# Altium PCB PCB.PcbDoc (part 1 of 4) (continued)
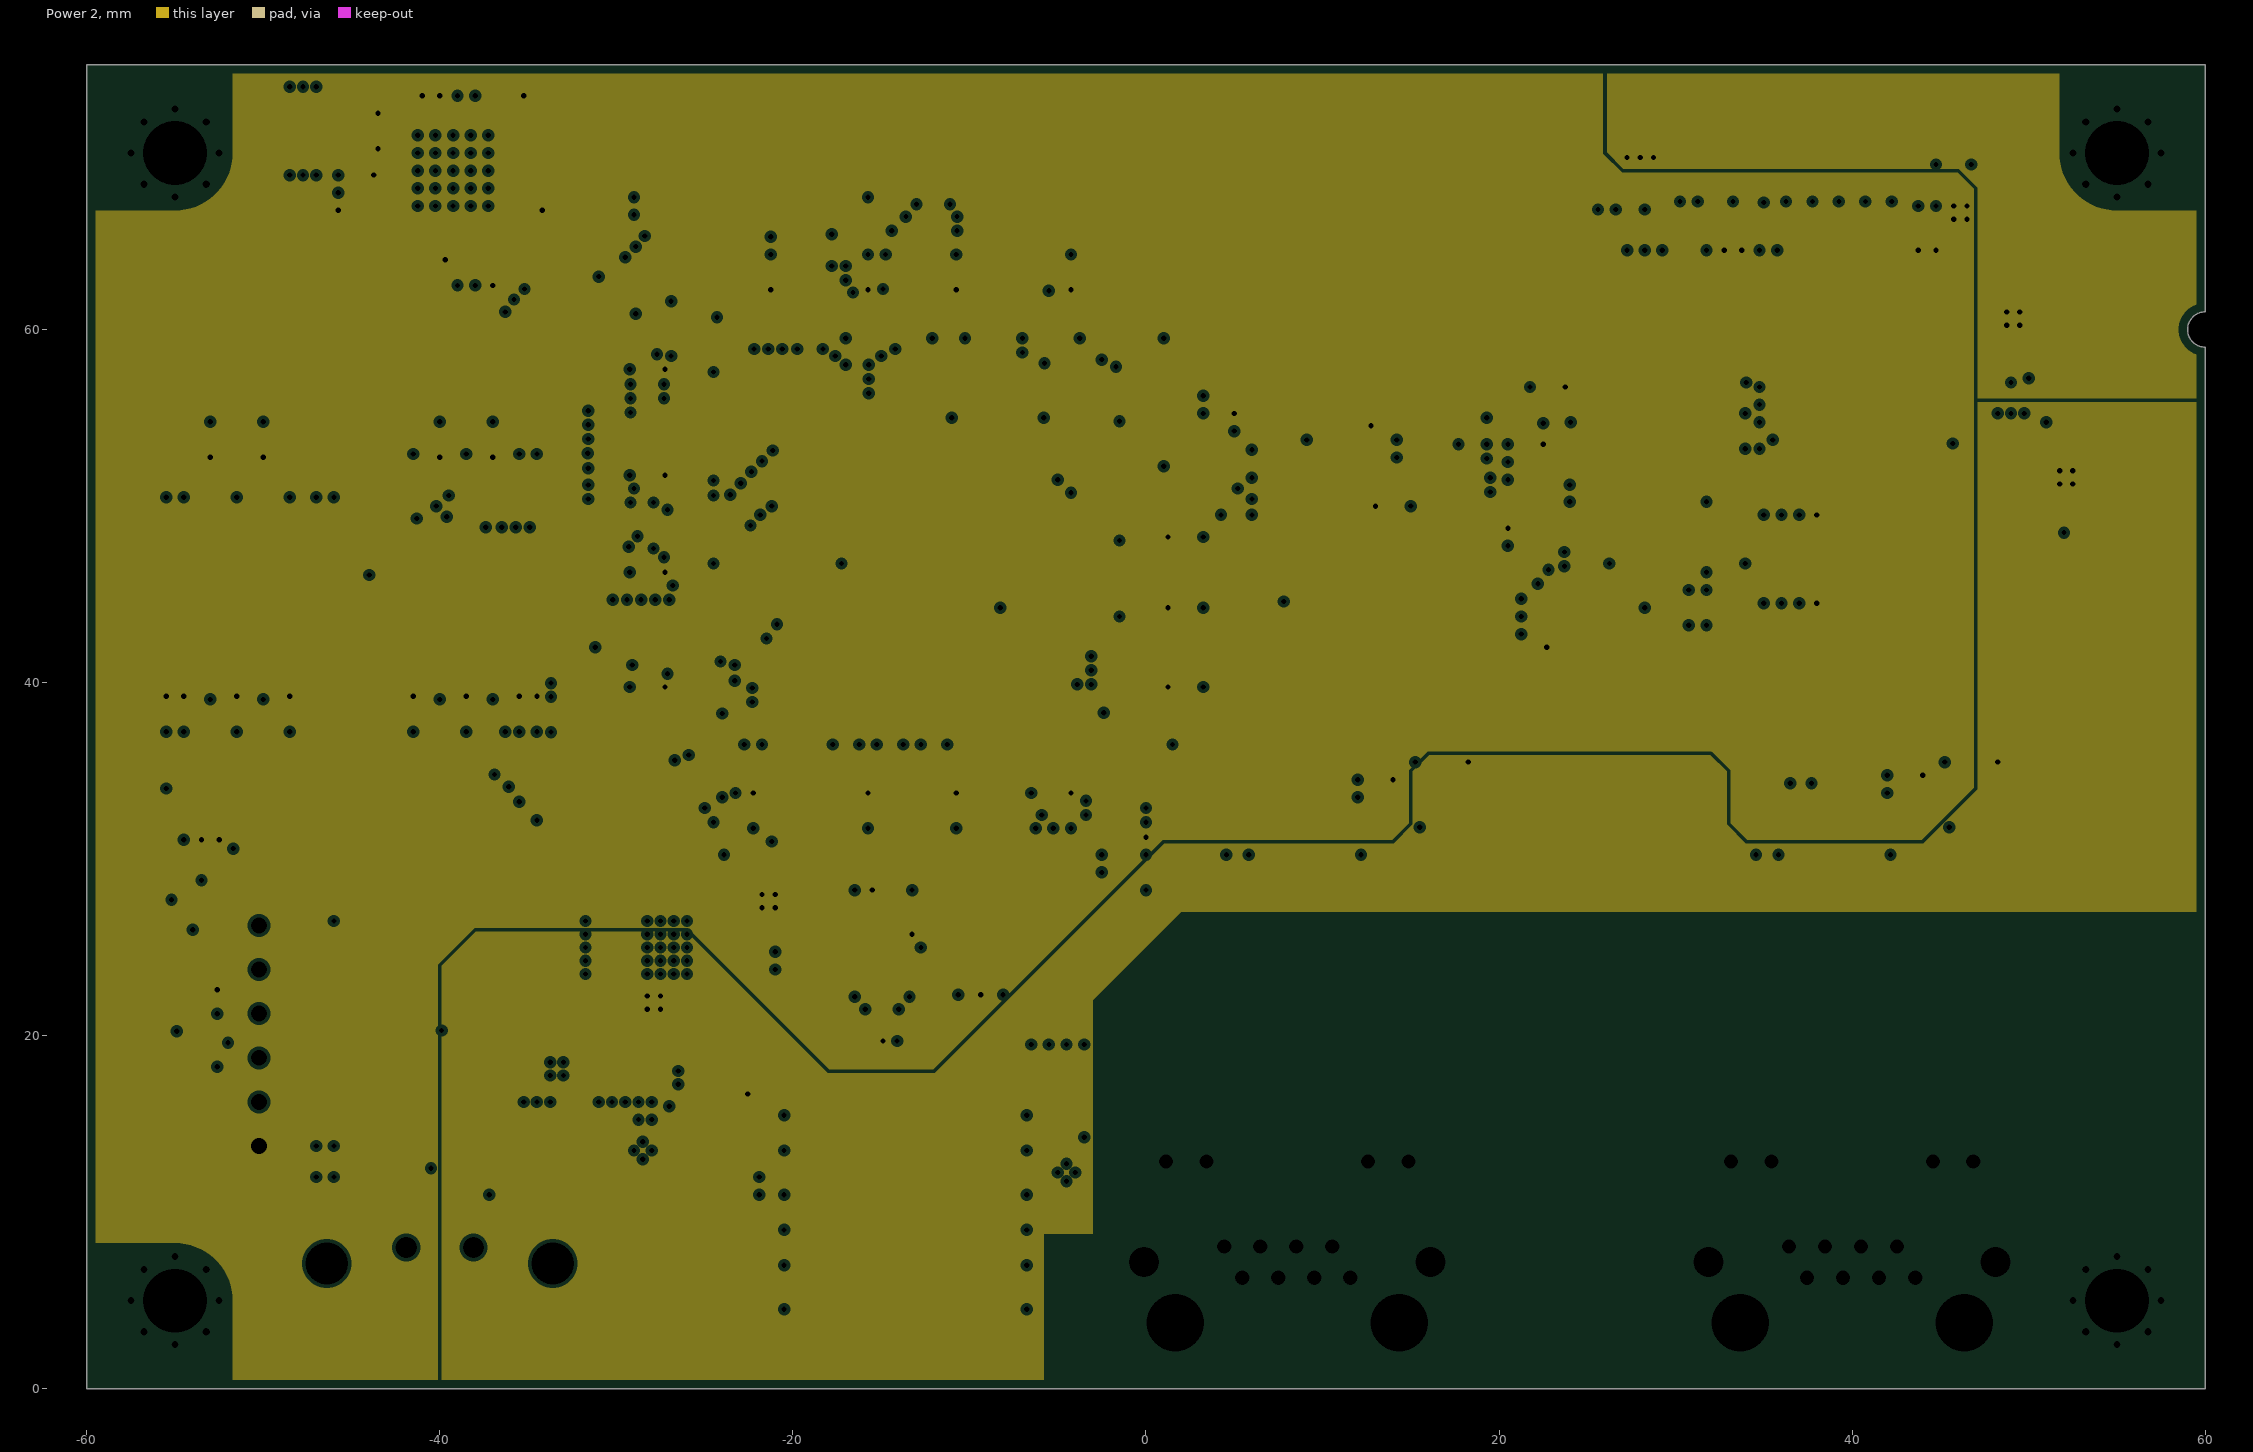
[diagram p3: Power 2, clearances drawn from the general rule]
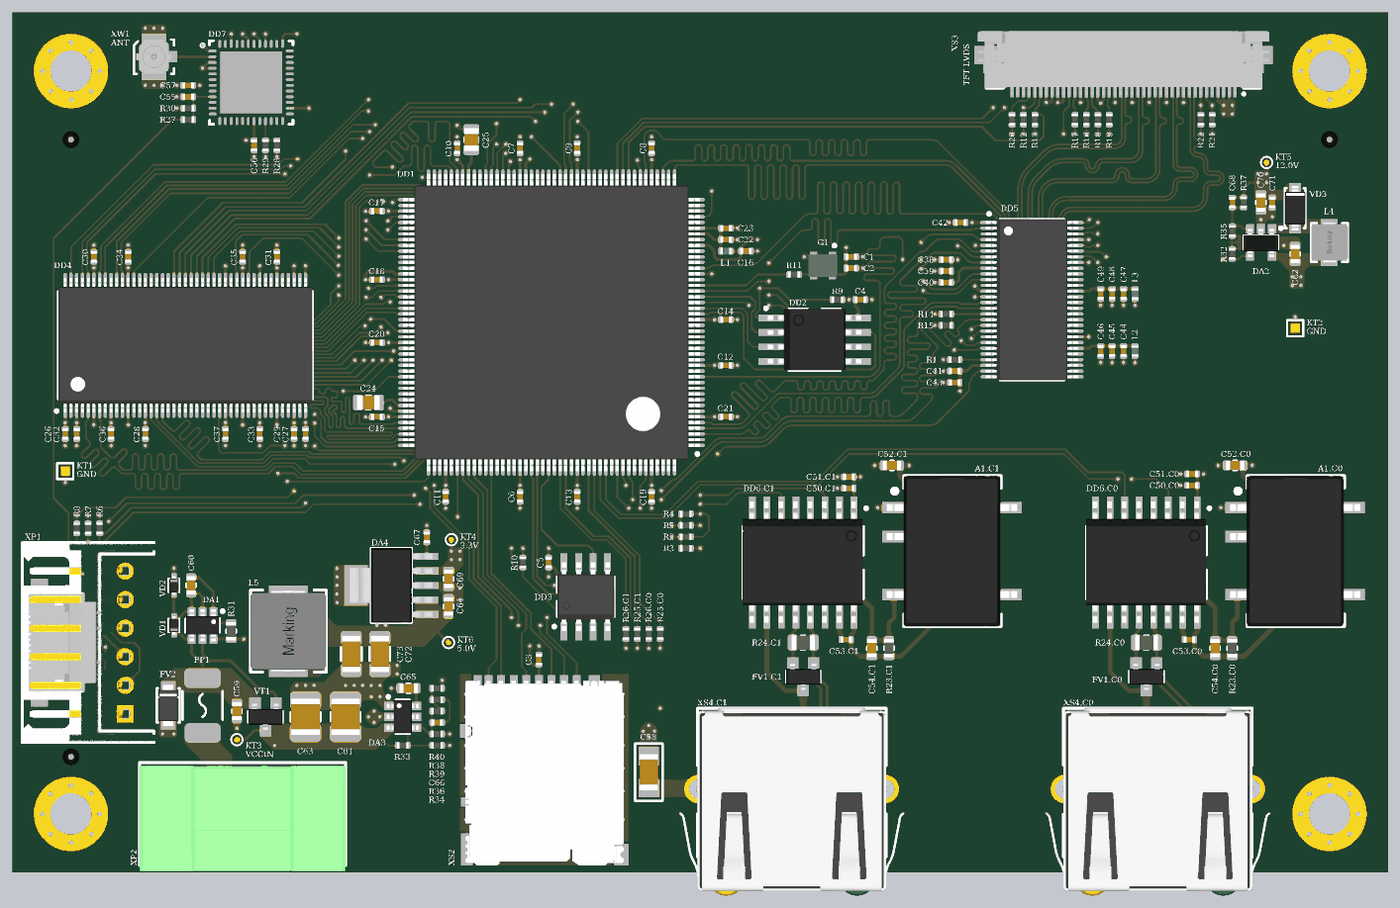
[diagram p7: 3D render of the assembled board from above, using the file's embedded part models]

## Layer stack, top to bottom
Top Solder: solder mask 0.0102, Solder Resist, Dk 3.5
Top: signal copper 0.0356
Dielectric 1: prepreg 0.127, KB-6160-PP-2116, Dk 4.25
GND 1: plane copper 0.0356, net GND
Core 1: core 1.19, KB-6160-1,19, Dk 4.6
Power 2: plane copper 0.0356, net (Multiple Nets)
Dielectric 2: prepreg 0.127, KB-6160-PP-2116, Dk 4.25
Bottom: signal copper 0.0356
Bottom Solder: solder mask 0.0102, Solder Resist, Dk 3.5

## Board outline
-60,0 -60,75 60,75 60,61 ccw(c60,60) 60,59 60,0

## Design rules (kind name [scope] priority, off if disabled: settings)
AcuteAngle [All] p1 off: minimum=1.50000000000000E+0001 checktracksonly=TRUE
BoardOutlineClearance [All] p1: gap=0.2 ignorepadtopadclearanceinfootprint=FALSE
Clearance Clearance_HV [InNetClass('HV')] p1: gap=0.4 ignorepadtopadclearanceinfootprint=FALSE
Clearance [All] p2: gap=0.152 ignorepadtopadclearanceinfootprint=FALSE
ComponentClearance ComponentClearance_SWD [InComponent('XP1')] p1: gap=-10 collisioncheckmode=3 verticalgap=-10 showdistances=FALSE
ComponentClearance [All] p2: gap=0.1 collisioncheckmode=3 verticalgap=0.1 showdistances=TRUE
DiffPairsRouting [All] p1: maxlimit=0.16 minlimit=0.15 mostfreqgap=0.16 toplayer_minwidth=0.15 toplayer_maxwidth=0.2 toplayer_prefwidth=0.16 bottomlayer_minwidth=0.15 bottomlayer_maxwidth=0.2 bottomlayer_prefwidth=0.16 impedanceprofiledriven=TRUE impedanceprofileid={81D1FA65-9C26-4472-977C-FA9D781A3615} impedanceprofilevalue=100.000000 maxuncoupledlength=20
Height [All] p1 off: minheight=0 maxheight=20 prefheight=10
HoleSize [All] p1: absolutevalues=TRUE maxlimit=4 minlimit=0.2 maxpercent=80.000 minpercent=20.000
HoleToHoleClearance [All] p1: gap=0.2 allowstackedmicrovias=TRUE
MatchedLengths MatchedLengths_LCD_RGB888 [InNetClass('LCD')] p1: tolerance=20 checknetsindiffpair=FALSE checkdiffpairvsdiffpair=TRUE checkxsignals=TRUE checkothers=TRUE
MatchedLengths MatchedLengths_SDRAM_CTRL [InNetClass('SDRAM_CTRL')] p2: tolerance=10 checknetsindiffpair=FALSE checkdiffpairvsdiffpair=TRUE checkxsignals=TRUE checkothers=TRUE
MatchedLengths MatchedLengths_SDRAM_ADDR [InNetClass('SDRAM_ADDR')] p3: tolerance=10 checknetsindiffpair=FALSE checkdiffpairvsdiffpair=TRUE checkxsignals=TRUE checkothers=TRUE
MatchedLengths MatchedLengths_SDRAM_DATA [InNetClass('SDRAM_DATA')] p4: tolerance=10 checknetsindiffpair=FALSE checkdiffpairvsdiffpair=TRUE checkxsignals=TRUE checkothers=TRUE
MatchedLengths MatchedLengths_LVDS [InDifferentialPairClass('All Differential Pairs')] p5: tolerance=0.25 checknetsindiffpair=TRUE checkdiffpairvsdiffpair=FALSE checkxsignals=FALSE checkothers=FALSE
MatchedLengths MatchedLengths_LCD_LVDS [InDifferentialPairClass('LCD_LVDS')] p6: tolerance=1 checknetsindiffpair=FALSE checkdiffpairvsdiffpair=TRUE checkxsignals=TRUE checkothers=TRUE
MinimumAnnularRing [All] p1: minimumring=0.1
MinimumSolderMaskSliver [All] p1: minsoldermaskwidth=0.1
PlaneClearance [All] p1: clearance=0.2
PlaneConnect [All] p1: pad.planeconnectstyle=Relief pad.reliefexpansion=0.25 pad.reliefentries=4 pad.reliefconductorwidth=0.25 pad.reliefairgap=0.2 via.planeconnectstyle=Direct via.reliefexpansion=0.508 via.reliefentries=4 via.reliefconductorwidth=0.254 via.reliefairgap=0.254
PolygonConnect PolygonConnect_DirectConnect [All vs InComponentClass('DirectConnect')] p1: connectstyle=Direct reliefconductorwidth=0.254 reliefentries=4 polygonreliefangle="90 Angle" airgapwidth=0.254
PolygonConnect [All] p2: thpad.connectstyle=Relief thpad.reliefconductorwidth=0.25 thpad.reliefentries=4 thpad.polygonreliefangle="90 Angle" thpad.airgapwidth=0.25 smdpad.connectstyle=Relief smdpad.reliefconductorwidth=0.2 smdpad.reliefentries=4 smdpad.polygonreliefangle="90 Angle" smdpad.airgapwidth=0.2 via.connectstyle=Direct via.reliefconductorwidth=0.254 via.reliefentries=4 via.polygonreliefangle="90 Angle" via.airgapwidth=0.254
RoutingCorners [All] p1: cornerstyle=45-Degree minsetback=0.2 maxsetback=3
RoutingVias [All] p1: holewidth=0.3 width=0.6 viastyle="Through Hole" minholewidth=0.3 minwidth=0.6 maxholewidth=0.3 maxwidth=0.6
SMDEntry [All] p1 off: side=TRUE corner=TRUE anyangle=TRUE
SMDToCorner [All] p1 off: distance=19685
SilkToSilkClearance [All] p1 off: silktosilkclearance=0.254
SilkToSolderMaskClearance [IsPad] p1 off: minsilkscreentomaskgap=0.2 clearancetoexposedcopper=TRUE
SolderMaskExpansion [All] p1: expansion=0.025
UnRoutedNet [All] p1: checkbadconnections=TRUE
Width Width_RF [InNetClass('RF')] p1: maxlimit=0.25 minlimit=0.2 preferedwidth=0.2 impedanceprofiledriven=TRUE impedanceprofileid={8003C638-430E-40B7-841D-D203D52F4D94} impedanceprofilevalue=50.000000 minimp=50.000000 maximp=50.000000 favimp=50.000000
Width [All] p2: maxlimit=2 minlimit=0.1 preferedwidth=0.25
18 further rules are at their usual default settings.

## Classes and differential pairs
component class DirectConnect: C58 C59 C61 C62 C63 C64 C65 C67 C69 C70 C71 C72 C73 DA1 DA2 DA3 DA4 FP1 FV2 L4 L5 VD1 VD2 VD3 VT1 XP2 XW1
net class HV: EARTH
net class SDRAM_DATA: DATA0 DATA1 DATA2 DATA3 DATA4 DATA5 DATA6 DATA7 DATA8 DATA9 DATA10 DATA11 DATA12 DATA13 DATA14 DATA15 DATA16 DATA17 DATA18 DATA19 DATA20 DATA21 DATA22 DATA23 DATA24 DATA25 DATA26 DATA27 DATA28 DATA29 DATA30 DATA31 DQM0 DQM1 DQM2 DQM3
net class SDRAM_CTRL: CAS_N CKE CLK CS_N RAS_N WE_N
net class SDRAM_CLK: CKE CLK
net class SDRAM_ADDR: ADDR0 ADDR1 ADDR2 ADDR3 ADDR4 ADDR5 ADDR6 ADDR7 ADDR8 ADDR9 ADDR10 ADDR11 ADDR12 BA0 BA1
channel class 06_ISO_CAN: CAN0 CAN1
net class RF: NetDD7_2
differential pair class LCD_LVDS: LCD_CLK LCD_DATA0 LCD_DATA1 LCD_DATA2 LCD_DATA3
net class LCD: LCD_CLK LCD_DATA0 LCD_DATA1 LCD_DATA2 LCD_DATA3 LCD_DATA4 LCD_DATA5 LCD_DATA6 LCD_DATA7 LCD_DATA8 LCD_DATA9 LCD_DATA10 LCD_DATA11 LCD_DATA12 LCD_DATA13 LCD_DATA14 LCD_DATA15 LCD_DATA16 LCD_DATA17 LCD_DATA18 LCD_DATA19 LCD_DATA20 LCD_DATA21 LCD_DATA22 LCD_DATA23 LCD_DATA24 LCD_DATA25 LCD_DATA26 LCD_DATA27
differential pair LCD_DATA3: +LCD_DATA3_P -LCD_DATA3_N
differential pair LCD_DATA2: +LCD_DATA2_P -LCD_DATA2_N
differential pair LCD_DATA1: +LCD_DATA1_P -LCD_DATA1_N
differential pair LCD_DATA0: +LCD_DATA0_P -LCD_DATA0_N
differential pair LCD_CLK: +LCD_CLK_P -LCD_CLK_N

## Components (designator, comment, footprint, x,y, rotation, side; value= is the part's Value field where it differs from the comment)
A1.C0 "BxxxxXT-1WR3" BXXXXXT-1WR3 52,28 r270 top locked value=B0505XT-1WR3 (schematic designator A1)
A1.C1 "BxxxxXT-1WR3" BXXXXXT-1WR3 22,28 r270 top locked value=B0505XT-1WR3 (schematic designator A1)
C1 "Capacitor" C0402_L 13.2,53.75 r180 top value=1uF
C2 "Capacitor" C0402_L 13.2,52.75 r180 top value=0.1uF
C3 "Capacitor" C0402_L -14.1,18.5 r270 top value=10uF
C4 "Capacitor" C0402_L 14,50 r180 top value=0.1uF
C5 "Capacitor" C0402_L -13.25,27 r270 top value=0.1uF
C6 "Capacitor" C0402_L -15.75,32.75 r270 top value=4.7uF
C7 "Capacitor" C0402_L -15.75,63.25 r90 top value=4.7uF
C8 "Capacitor" C0402_L -4.25,63.25 r90 top value=0.1uF
C9 "Capacitor" C0402_L -10.75,63.25 r90 top value=0.1uF
C10 "Capacitor" C0402_L -21.25,63.25 r90 top value=0.1uF
C11 "Capacitor" C0402_L -22.25,32.75 r270 top value=0.1uF
C12 "Capacitor" C0402_L 2.25,44.25 r0 top value=0.1uF
C13 "Capacitor" C0402_L -10.75,32.75 r270 top value=0.1uF
C14 "Capacitor" C0402_L 2.25,48.25 r0 top value=0.1uF
C15 "Capacitor" C0402_L -28.25,39.75 r180 top value=0.1uF
C16 "Capacitor" C0402_L 4,54.25 r0 top value=0.1uF
C17 "Capacitor" C0402_L -28.25,57.75 r180 top value=0.1uF
C18 "Capacitor" C0402_L -28.25,51.75 r180 top value=0.1uF
C19 "Capacitor" C0402_L -4.25,32.75 r270 top value=0.1uF
C20 "Capacitor" C0402_L -28.25,46.25 r180 top value=0.1uF
C21 "Capacitor" C0402_L 2.25,39.75 r0 top value=0.1uF
C22 "Capacitor" C0402_L 2.25,55.25 r0 top value=1uF
C23 "Capacitor" C0402_L 2.25,56.25 r0 top value=0.1uF
C24 "Capacitor" C0805_L -29,41 r0 top value=10uF
C25 "Capacitor" C0805_L -20,64 r270 top value=10uF
C26 "Capacitor" C0402_L -55.5,38.25 r270 top value=10uF
C27 "Capacitor" C0402_L -34.5,38.25 r270 top value=10uF
C28 "Capacitor" C0402_L -48.5,38.25 r270 top value=0.1uF
C29 "Capacitor" C0402_L -35.5,38.25 r270 top value=0.1uF
C30 "Capacitor" C0402_L -53,53.75 r90 top value=0.1uF
C31 "Capacitor" C0402_L -37,53.75 r90 top value=0.1uF
C32 "Capacitor" C0402_L -54.5,38.25 r270 top value=0.01uF
C33 "Capacitor" C0402_L -38.5,38.25 r270 top value=0.01uF
C34 "Capacitor" C0402_L -50,53.75 r90 top value=0.01uF
C35 "Capacitor" C0402_L -40,53.75 r90 top value=0.01uF
C36 "Capacitor" C0402_L -51.5,38.25 r270 top value=0.01uF
C37 "Capacitor" C0402_L -41.5,38.25 r270 top value=0.01uF
C38 "Capacitor" C0402_L 21.5,53.5 r180 top value=1uF
C39 "Capacitor" C0402_L 21.5,52.5 r180 top value=0.1uF
C40 "Capacitor" C0402_L 21.5,51.5 r180 top value=0.01uF
C41 "Capacitor" C0402_L 22.25,43.75 r180 top value=1uF
C42 "Capacitor" C0402_L 22.75,56.75 r180 top value=0.1uF
C43 "Capacitor" C0402_L 22.25,42.75 r180 top value=0.01uF
C44 "Capacitor" C0402_L 37,45.5 r270 top value=1uF
C45 "Capacitor" C0402_L 36,45.5 r270 top value=0.1uF
C46 "Capacitor" C0402_L 35,45.5 r270 top value=0.01uF
C47 "Capacitor" C0402_L 37,50.5 r270 top value=1uF
C48 "Capacitor" C0402_L 36,50.5 r270 top value=0.1uF
C49 "Capacitor" C0402_L 35,50.5 r270 top value=0.01uF
C50.C0 "Capacitor" C0402_L 42.995,33.75 r0 top value=1uF (schematic designator C50)
C50.C1 "Capacitor" C0402_L 12.995,33.5 r0 top value=1uF (schematic designator C50)
C51.C0 "Capacitor" C0402_L 42.995,34.75 r0 top value=0.1uF (schematic designator C51)
C51.C1 "Capacitor" C0402_L 12.995,34.5 r0 top value=0.1uF (schematic designator C51)
C52.C0 "Capacitor" C0603_L 46.75,35.5 r0 top value=10uF (schematic designator C52)
C52.C1 "Capacitor" C0603_L 16.75,35.5 r0 top value=10uF (schematic designator C52)
C53.C0 "Capacitor" C0402_L 42.75,20.25 r0 top value=0.1uF (schematic designator C53)
C53.C1 "Capacitor" C0402_L 12.75,20.25 r0 top value=0.1uF (schematic designator C53)
C54.C0 "Capacitor" C0603_L 45,19.5 r270 top value=10uF (schematic designator C54)
C54.C1 "Capacitor" C0603_L 15,19.5 r270 top value=10uF (schematic designator C54)
C55 "Capacitor" C0402_L -44.75,67.75 r0 top value=0.1uF
C56 "Capacitor" C0402_L -39,63.5 r90 top value=0.1uF
C57 "Capacitor" C0402_L -44.75,68.75 r0 top value=10uF
C58 "Capacitor" C1206 -4.5,8.65 r270 top value=1000pF
C59 "Capacitor" C0603_L -40.5,14 r90 top value=0.1uF
C60 "Capacitor" C0603_L -44.5,25 r90 top value=0.1uF
C61 "Capacitor" C1210_L -31,13.5 r270 top value=10uF
C62 "Capacitor" C0603_L 52,54 r270 top value=2.2uF
C63 "Capacitor" C1210_L -34.5,13.5 r270 top value=10uF
C64 "Capacitor" C0603_L -22,23.16 r270 top value=2.2uF
C65 "Capacitor" C0603_L -25.5,16 r0 top value=0.1uF
C66 "Capacitor" C0402_L -23,13 r0 top value=75pF
C67 "Capacitor" C0402_L -23.9,29.2 r270 top value=0.01uF
C68 "Capacitor" C0402_L 46.5,58.5 r90 top value=120pF
C69 "Capacitor" C0603_L -22,25.57 r90 top value=2.2uF
C70 "Capacitor" C0603_L 49,58.5 r90 top value=4.7uF
C71 "Capacitor" C0402_L 50,58.5 r90 top value=0.022uF
C72 "Capacitor" C1206_L -28,19 r90 top value=22uF
C73 "Capacitor" C1206_L -30.5,19 r90 top value=22uF
DA1 "LM5050-1" SOT-23-6_095P290X160X145_N -43.5,21.5 r180 top value=LM5050MK-1/NOPB
DA2 "LMR64010XMF" SOT-23-5_095P290X160X145_N 49,55 r180 top value=LMR64010XMFX/NOPB
DA3 "TPS54308" SOT-23-6_095P290X160X145_N -26,13.5 r270 top value=TPS54308DDCR
DA4 "TPS786xxDCQ-Series" SOT-223-6_127P650X350X180_N -27,25 r90 top locked value=TPS78633DCQR
DD1 "STM32H743IxT6-Series" LQFP-176_050P2400X2400X160_N -13,48 r180 top locked value=STM32H743IIT6
DD2 "W25Q-Series" SOIC-8_127P528X528X203_N 10,46.5 r270 top value=W25Q128JVSIQ
DD3 "FM25CL64Bx-Series" SOIC-8_127P490X391X155_N -10,24 r0 top locked value=FM25CL64B-G
DD4 "IS4xS32160F-xTxx-Series" TSOP2-86_050P2222X1016X125_N -45,46 r0 top locked value=IS42S32160F-7TLI
DD5 "SN65LVDS93ADGG" TSSOP-56_050P1400X610X120_N 29,50 r270 top locked value=SN65LVDS93ADGGR
DD6.C0 "ISO1050DW" SOIC-16_127P1030X750X265_N 39,27 r180 top locked value=ISO1050DWR (schematic designator DD6)
DD6.C1 "ISO1050DW" SOIC-16_127P1030X750X265_N 9,27 r180 top locked value=ISO1050DWR (schematic designator DD6)
DD7 "ESP32-PICO-D4" QFN-48_050P700X700X104_N -39.25,69 r0 top locked
FM1 "" Mark-Fiducial_2.00mm -55,64 r0 top locked
FM3 "" Mark-Fiducial_2.00mm -55,10 r0 top locked
FM5 "" Mark-Fiducial_2.00mm 55,64 r0 top locked
FP1 "Fuse_PTC" F1812_L_H085 -43.5,14.5 r90 top value=MF-MSMF050/40X-2
FV1.C0 "ESDCANxx-2BLY-Series" SOT-23_190P290X160X145_N#1 39,17 r180 top value=ESDCAN24-2BLY (schematic designator FV1)
FV1.C1 "ESDCANxx-2BLY-Series" SOT-23_190P290X160X145_N#1 9,17 r180 top value=ESDCAN24-2BLY (schematic designator FV1)
FV2 "Suppressor-Bi" SOD-123FL -46.5,14.5 r90 top value=SMF4L36CA
G1 "DSC100X-Series" CDFN-4_165P250X200X085_N 10.725,52.975 r180 top value=DSC1001DI5-050.0000
KT1 "GND" TP-SMT-R-0.8mm -55.5,35 r0 top value=TestPoint-SMT
KT2 "GND" TP-SMT-R-0.8mm 52,47.5 r90 top value=TestPoint-SMT
KT3 "VCCIN" TP-SMT-C-0.5mm -40.5,11.5 r90 top value=TestPoint-SMT
KT4 "3.3V" TP-SMT-C-0.5mm -21.75,29 r90 top value=TestPoint-SMT
KT5 "12.0V" TP-SMT-C-0.5mm 49.5,62 r90 top value=TestPoint-SMT
KT6 "5.0V" TP-SMT-C-0.5mm -22,20 r90 top value=TestPoint-SMT
L1 "FerriteBead" L0402_L 2.25,54.25 r180 top value=BLM15HD601SH1D
L2 "FerriteBead" L0402_L 38,45.5 r90 top value=BLM15PD121SN1D
L3 "FerriteBead" L0402_L 38,50.5 r90 top value=BLM15PD121SN1D
L4 "Coil" SRP3020TA-Series 55,55 r90 top value=SRP3020TA-4R7M
L5 "Coil" SRP7028C-Series -36,21 r90 top locked value=SRP7028C-150M
MH1 "" MH_M3.0 -55,5 r0 top locked
MH2 "" MH_M3.0 -55,70 r0 top locked
MH3 "" MH_M3.0 55,70 r0 top locked
MH4 "" MH_M3.0 55,5 r0 top locked
R1 "Resistor" R0402_L 22.25,44.75 r180 top value=0
R2 "Resistor" R0402_L -1.25,29.25 r0 top value=0
R3 "Resistor" R0402_L -1.25,28.25 r0 top value=0
R4 "Resistor" R0402_L -1.25,31.25 r0 top value=0
R5 "Resistor" R0402_L -1.25,30.25 r0 top value=0
R6 "Resistor" R0402_L -52.5,30 r270 top value=10k
R7 "Resistor" R0402_L -53.5,30 r270 top value=10k
R8 "Resistor" R0402_L -54.5,30 r270 top value=0
R9 "Resistor" R0402_L 12,50 r0 top value=10k
R10 "Resistor" R0402_L -15.5,27 r90 top value=10k
R11 "Resistor" R0402_L 8.2,52.2 r180 top value=100
R12 "Resistor" R0402_L 28.25,65.75 r90 top value=10k
R13 "Resistor" R0402_L 29.25,65.75 r90 top value=10k
R14 "Resistor" R0402_L 21.5,48.75 r180 top value=0
R15 "Resistor" R0402_L 21.5,47.75 r180 top value=0
R16 "Resistor" R0402_L 33.75,65.75 r270 top value=0
R17 "Resistor" R0402_L 32.75,65.75 r270 top value=0
R18 "Resistor" R0402_L 34.75,65.75 r270 top value=0
R19 "Resistor" R0402_L 35.75,65.75 r270 top value=0
R20 "Resistor" R0402_L 27.25,65.75 r270 top value=0
R21 "Resistor" R0402_L 44.75,65.75 r90 top value=10k
R22 "Resistor" R0402_L 43.75,65.75 r90 top value=10k
R23.C0 "Resistor" R0603_L 46.5,19.5 r270 top value=1k (schematic designator R23)
R23.C1 "Resistor" R0603_L 16.5,19.5 r270 top value=1k (schematic designator R23)
R24.C0 "Resistor" R0805_L 39,20 r0 top value=120 (schematic designator R24)
R24.C1 "Resistor" R0805_L 9,20 r0 top value=120 (schematic designator R24)
R25.C0 "Resistor" R0402_L -3.5,20.75 r270 top value=330 (schematic designator R25)
R25.C1 "Resistor" R0402_L -5.5,20.75 r270 top value=330 (schematic designator R25)
R26.C0 "Resistor" R0402_L -4.5,20.75 r270 top value=330 (schematic designator R26)
R26.C1 "Resistor" R0402_L -6.5,20.75 r270 top value=330 (schematic designator R26)
R27 "Resistor" R0402_L -44.75,65.75 r0 top value=0
R28 "Resistor" R0402_L -37,63.5 r270 top value=1k
R29 "Resistor" R0402_L -38,63.5 r90 top value=1k
R30 "Resistor" R0402_L -44.75,66.75 r180 top value=10k
R31 "Resistor" R0603_L -41,21 r270 top value=100
R32 "Resistor" R0402_L 46.5,54 r270 top value=10k
R33 "Resistor" R0402_L -26,11 r180 top value=499k
R34 "Resistor" R0402_L -23,11 r180 top value=100k
R35 "Resistor" R0402_L 46.5,56 r90 top value=13k
R36 "Resistor" R0402_L -23,12 r180 top value=13k
R37 "Resistor" R0402_L 47.5,58.5 r270 top value=110k
R38 "Resistor" R0402_L -23,15 r180 top value=2k
R39 "Resistor" R0402_L -23,14 r0 top value=100k
R40 "Resistor" R0402_L -23,16 r0 top value=49.9
VD1 "Diode" SOD-523 -46,21.5 r270 top value=1N4148WT-7
VD2 "Diode" SOD-523 -46,25 r90 top value=1N4148WT-7
VD3 "Schottky" SOD-123 52,58 r90 top value=MBR0540T1G
VT1 "MOSFET-N_32" SOT-23_190P290X160X145_N#2 -38,13.5 r180 top value=IRLML0030TRPBF
XP1 "SWD" CWF-6R -53.5,20 r90 top locked value=CWF-6R
XP2 "+24V" 1827868 -40,0 r0 top locked value=1827868
XS1 "JTAG" XF2M-1015-1A -56,20 r90 top locked value=XF2M-1015-1A
XS2 "DM3AT-SF-PEJM5" DM3AT-SF-PEJM5 -14,0.5 r0 top locked
XS3 "TFT LVDS" 54104-4031 37,71 r0 top locked value=54104-4031
XS4.C0 "CAN" 615008137421 40,3.75 r0 top locked value=615008137421 (schematic designator XS4)
XS4.C1 "CAN" 615008137421 8,3.75 r0 top locked value=615008137421 (schematic designator XS4)
XW1 "ANT" 1909763-1 -47.75,71.25 r90 top locked value=1909763-1

## Footprints (in the part's own frame and the unit in brackets; to place one, negate y for a bottom-side part, rotate by r counter-clockwise, add the part's x,y. Pads: shape width x height; smd on the part's side, far side on the other; paste and mask are expansions set on the pad)
54104-4031 [mm]
  rect 0.3x1.2 smd mask+0.025: 1(9.75,-2.7) 2(9.25,-2.7) 3(8.75,-2.7) 4(8.25,-2.7) 5(7.75,-2.7) 6(7.25,-2.7) 7(6.75,-2.7) 8(6.25,-2.7) 9(5.75,-2.7) 10(5.25,-2.7) 11(4.75,-2.7) 12(4.25,-2.7) 13(3.75,-2.7) 14(3.25,-2.7) 15(2.75,-2.7) 16(2.25,-2.7) 17(1.75,-2.7) 18(1.25,-2.7) 19(0.75,-2.7) 20(0.25,-2.7) 21(-0.25,-2.7) 22(-0.75,-2.7) 23(-1.25,-2.7) 24(-1.75,-2.7) 25(-2.25,-2.7) 26(-2.75,-2.7) 27(-3.25,-2.7) 28(-3.75,-2.7) 29(-4.25,-2.7) 30(-4.75,-2.7) 31(-5.25,-2.7) 32(-5.75,-2.7) 33(-6.25,-2.7) 34(-6.75,-2.7) 35(-7.25,-2.7) 36(-7.75,-2.7) 37(-8.25,-2.7) 38(-8.75,-2.7) 39(-9.25,-2.7) 40(-9.75,-2.7)
  rect 2.4x1.6 smd mask+0.025: SH(-11.85,0.4) SH(11.85,0.4)
  rect 1.6x0.8 smd mask+0.025: SH(-11.45,-0.8) SH(11.45,-0.8)
  silkscreen extent -12,-3.1 12,-1.75, body extent -12.75,-3.1 12.75,2.5, height 2.02
1827868 [mm] "MC 1,5/ 2-GF-3,81"
  rect 2x2 hole 1.2: 1(-1.905,8)
  round 2 hole 1.2: 2(1.905,8)
  round 0 hole 2.4 unplated: MH(-6.405,7.1) MH(6.405,7.1)
  silkscreen extent -9,0.5 9,9.5, body extent -9,0 9,9.3, height 7.27
1909763-1 [mm] "IPX"
  rect 1x1.05 smd: 1(0,-1.5)
  rect 1.05x2.2 smd: 2(-1.475,0) 2(1.475,0)
  silkscreen extent -1.5,-1.75 1.5,1.75, body extent -1.5,-1.55 1.5,1.55, height 1.2
615008137421 [mm]
  round 0.1 hole 3.25 unplated: 0(-6.35,0) 0(6.35,0)
  round 1.4 hole 0.8: 1(3.57,2.54) 2(2.55,4.32) 3(1.53,2.54) 4(0.51,4.32) 5(-0.51,2.54) 6(-1.53,4.32) 7(-2.55,2.54) 8(-3.57,4.32) 9(6.86,9.13) 10(4.57,9.13) 11(-4.57,9.13) 12(-6.86,9.13)
  round 2.5 hole 1.7: SH(-8.125,3.43) SH(8.125,3.43)
  silkscreen extent -8.25,-2.5 8.25,10.5, body extent -9.88,-5.89 9.88,10.56, height 15.23
BXXXXXT-1WR3 [mm]
  rect 1x2.1 smd: 1(-3.81,-5.05) 2(-1.27,-5.05) 4(3.81,-5.05) 5(3.81,5.05) 8(-3.81,5.05)
  silkscreen extent -6.6,-5.2 6.6,4.3, body extent -6.6,-5.7 6.6,5.7, height 7.25
C0402_L [mm] "Chip Capacitor; Body 1.0 x 0.5 mm (LxW typ)"
  rrect50% 0.45x0.6 smd: 1(-0.45,0) 2(0.45,0)
  body extent -0.5,-0.25 0.5,0.25, height 0.61
C0603_L [mm] "Chip Capacitor; Body 1.6 x 0.8 mm (LxW typ)"
  rrect50% 0.7x0.9 smd: 1(-0.7,0) 2(0.7,0)
  silkscreen extent -0.15,-0.41 0.15,0.41, body extent -0.8,-0.4 0.8,0.4, height 0.91
C0805_L [mm] "Chip Capacitor; Body 2.0 x 1.2 mm (LxW typ)"
  rrect50% 0.9x1.4 smd: 1(-0.9,0) 2(0.9,0)
  silkscreen extent -0.2,-0.6 0.2,0.6, body extent -1,-0.62 1,0.63, height 1.01
C1206 [mm] "3216M"
  rect 1.6x1.8 smd: 1(-1.4,0) 2(1.4,0)
  silkscreen extent -2.5,-1.2 2.5,1.2, body extent -1.6,-0.8 1.6,0.8, height 1.01
C1206_L [mm] "Chip Capacitor; Body 3.2 x 1.6 mm (LxW typ)"
  rrect50% 1.2x1.8 smd: 1(-1.4,0) 2(1.4,0)
  silkscreen extent -0.6,-0.9 0.6,0.9, body extent -1.6,-0.8 1.6,0.8, height 1.01
C1210_L [mm] "Chip Capacitor; Body 3.2 x 2.5 mm (LxW typ)"
  rrect50% 1.6x2.7 smd: 1(-1.4,0) 2(1.4,0)
  silkscreen extent -0.4,-1.3 0.4,1.3, body extent -1.6,-1.25 1.6,1.25, height 1.01
CDFN-4_165P250X200X085_N [mm]
  rect 0.65x0.85 smd: 1(-0.825,-0.775) 2(0.825,-0.775) 3(0.825,0.775) 4(-0.825,0.775)
  silkscreen extent -1.13,-1.87 -0.88,-1.63, body extent -1.25,-1 1.25,1, height 1.45
CWF-6R [mm]
  rect 1.5x1.5 hole 0.9: 1(-6.25,-3.25)
  round 1.5 hole 0.9: 2(-3.75,-3.25) 3(-1.25,-3.25) 4(1.25,-3.25) 5(3.75,-3.25) 6(6.25,-3.25)
  silkscreen extent -8.75,-5.75 8.75,5.75, body extent -8.75,-5.87 8.75,5.62, height 5.85
DM3AT-SF-PEJM5 [mm]
  rect 0.7x1.2 smd: 1(3.2,16.05) 2(2.1,16.05) 3(1,16.05) 4(-0.1,16.05) 5(-1.2,16.05) 6(-2.3,16.05) 7(-3.4,16.05) 8(-4.5,16.05) CDB(-5.45,16.05)
  rect 1x1.2 smd: CASE(-6.5,11.75) CASE(4.75,16.05)
  rect 1x2.8 smd: CASE(-6.4,1.4)
  rect 1.3x1.9 smd: CASE(7.1,0.95)
  rect 1x0.8 smd: CDA(-6.4,5.55)
  body extent -6.52,0 7.32,16.15, height 1.69
F1812_L_H085 [mm]
  rrect50% 1.68x3.15 smd: 1(-2.39,0) 2(2.39,0)
  silkscreen extent -1.25,-1.75 1.25,1.75, body extent -2.3,-1.7 2.3,1.7, height 0.85
L0402_L [mm] "Chip Coil; Body 1.0 x 0.5 mm (LxW typ)"
  rrect50% 0.45x0.6 smd: 1(-0.452,0) 2(0.452,0)
  body extent -0.5,-0.3 0.5,0.3, height 0.5
LQFP-176_050P2400X2400X160_N [mm] "LQFP, 176-Leads, Body 24,00x24,00mm, Pitch 0,50mm, IPC Medium Density"
  oval 1.4x0.3 smd: 1(-12.7,10.75) 2(-12.7,10.25) 3(-12.7,9.75) 4(-12.7,9.25) 5(-12.7,8.75) 6(-12.7,8.25) 7(-12.7,7.75) 8(-12.7,7.25) 9(-12.7,6.75) 10(-12.7,6.25) 11(-12.7,5.75) 12(-12.7,5.25) 13(-12.7,4.75) 14(-12.7,4.25) 15(-12.7,3.75) 16(-12.7,3.25) 17(-12.7,2.75) 18(-12.7,2.25) 19(-12.7,1.75) 20(-12.7,1.25) 21(-12.7,0.75) 22(-12.7,0.25) 23(-12.7,-0.25) 24(-12.7,-0.75) 25(-12.7,-1.25) 26(-12.7,-1.75) 27(-12.7,-2.25) 28(-12.7,-2.75) 29(-12.7,-3.25) 30(-12.7,-3.75) 31(-12.7,-4.25) 32(-12.7,-4.75) 33(-12.7,-5.25) 34(-12.7,-5.75) 35(-12.7,-6.25) 36(-12.7,-6.75) 37(-12.7,-7.25) 38(-12.7,-7.75) 39(-12.7,-8.25) 40(-12.7,-8.75) 41(-12.7,-9.25) 42(-12.7,-9.75) 43(-12.7,-10.25) 44(-12.7,-10.75) 89(12.7,-10.75) 90(12.7,-10.25) 91(12.7,-9.75) 92(12.7,-9.25) 93(12.7,-8.75) 94(12.7,-8.25) 95(12.7,-7.75) 96(12.7,-7.25) 97(12.7,-6.75) 98(12.7,-6.25) 99(12.7,-5.75) 100(12.7,-5.25) 101(12.7,-4.75) 102(12.7,-4.25) 103(12.7,-3.75) 104(12.7,-3.25) 105(12.7,-2.75) 106(12.7,-2.25) 107(12.7,-1.75) 108(12.7,-1.25) 109(12.7,-0.75) 110(12.7,-0.25) 111(12.7,0.25) 112(12.7,0.75) 113(12.7,1.25) 114(12.7,1.75) 115(12.7,2.25) 116(12.7,2.75) 117(12.7,3.25) 118(12.7,3.75) 119(12.7,4.25) 120(12.7,4.75) 121(12.7,5.25) 122(12.7,5.75) 123(12.7,6.25) 124(12.7,6.75) 125(12.7,7.25) 126(12.7,7.75) 127(12.7,8.25) 128(12.7,8.75) 129(12.7,9.25) 130(12.7,9.75) 131(12.7,10.25) 132(12.7,10.75)